# KiCad board smoothiev2-prime.kicad_pcb (continued)
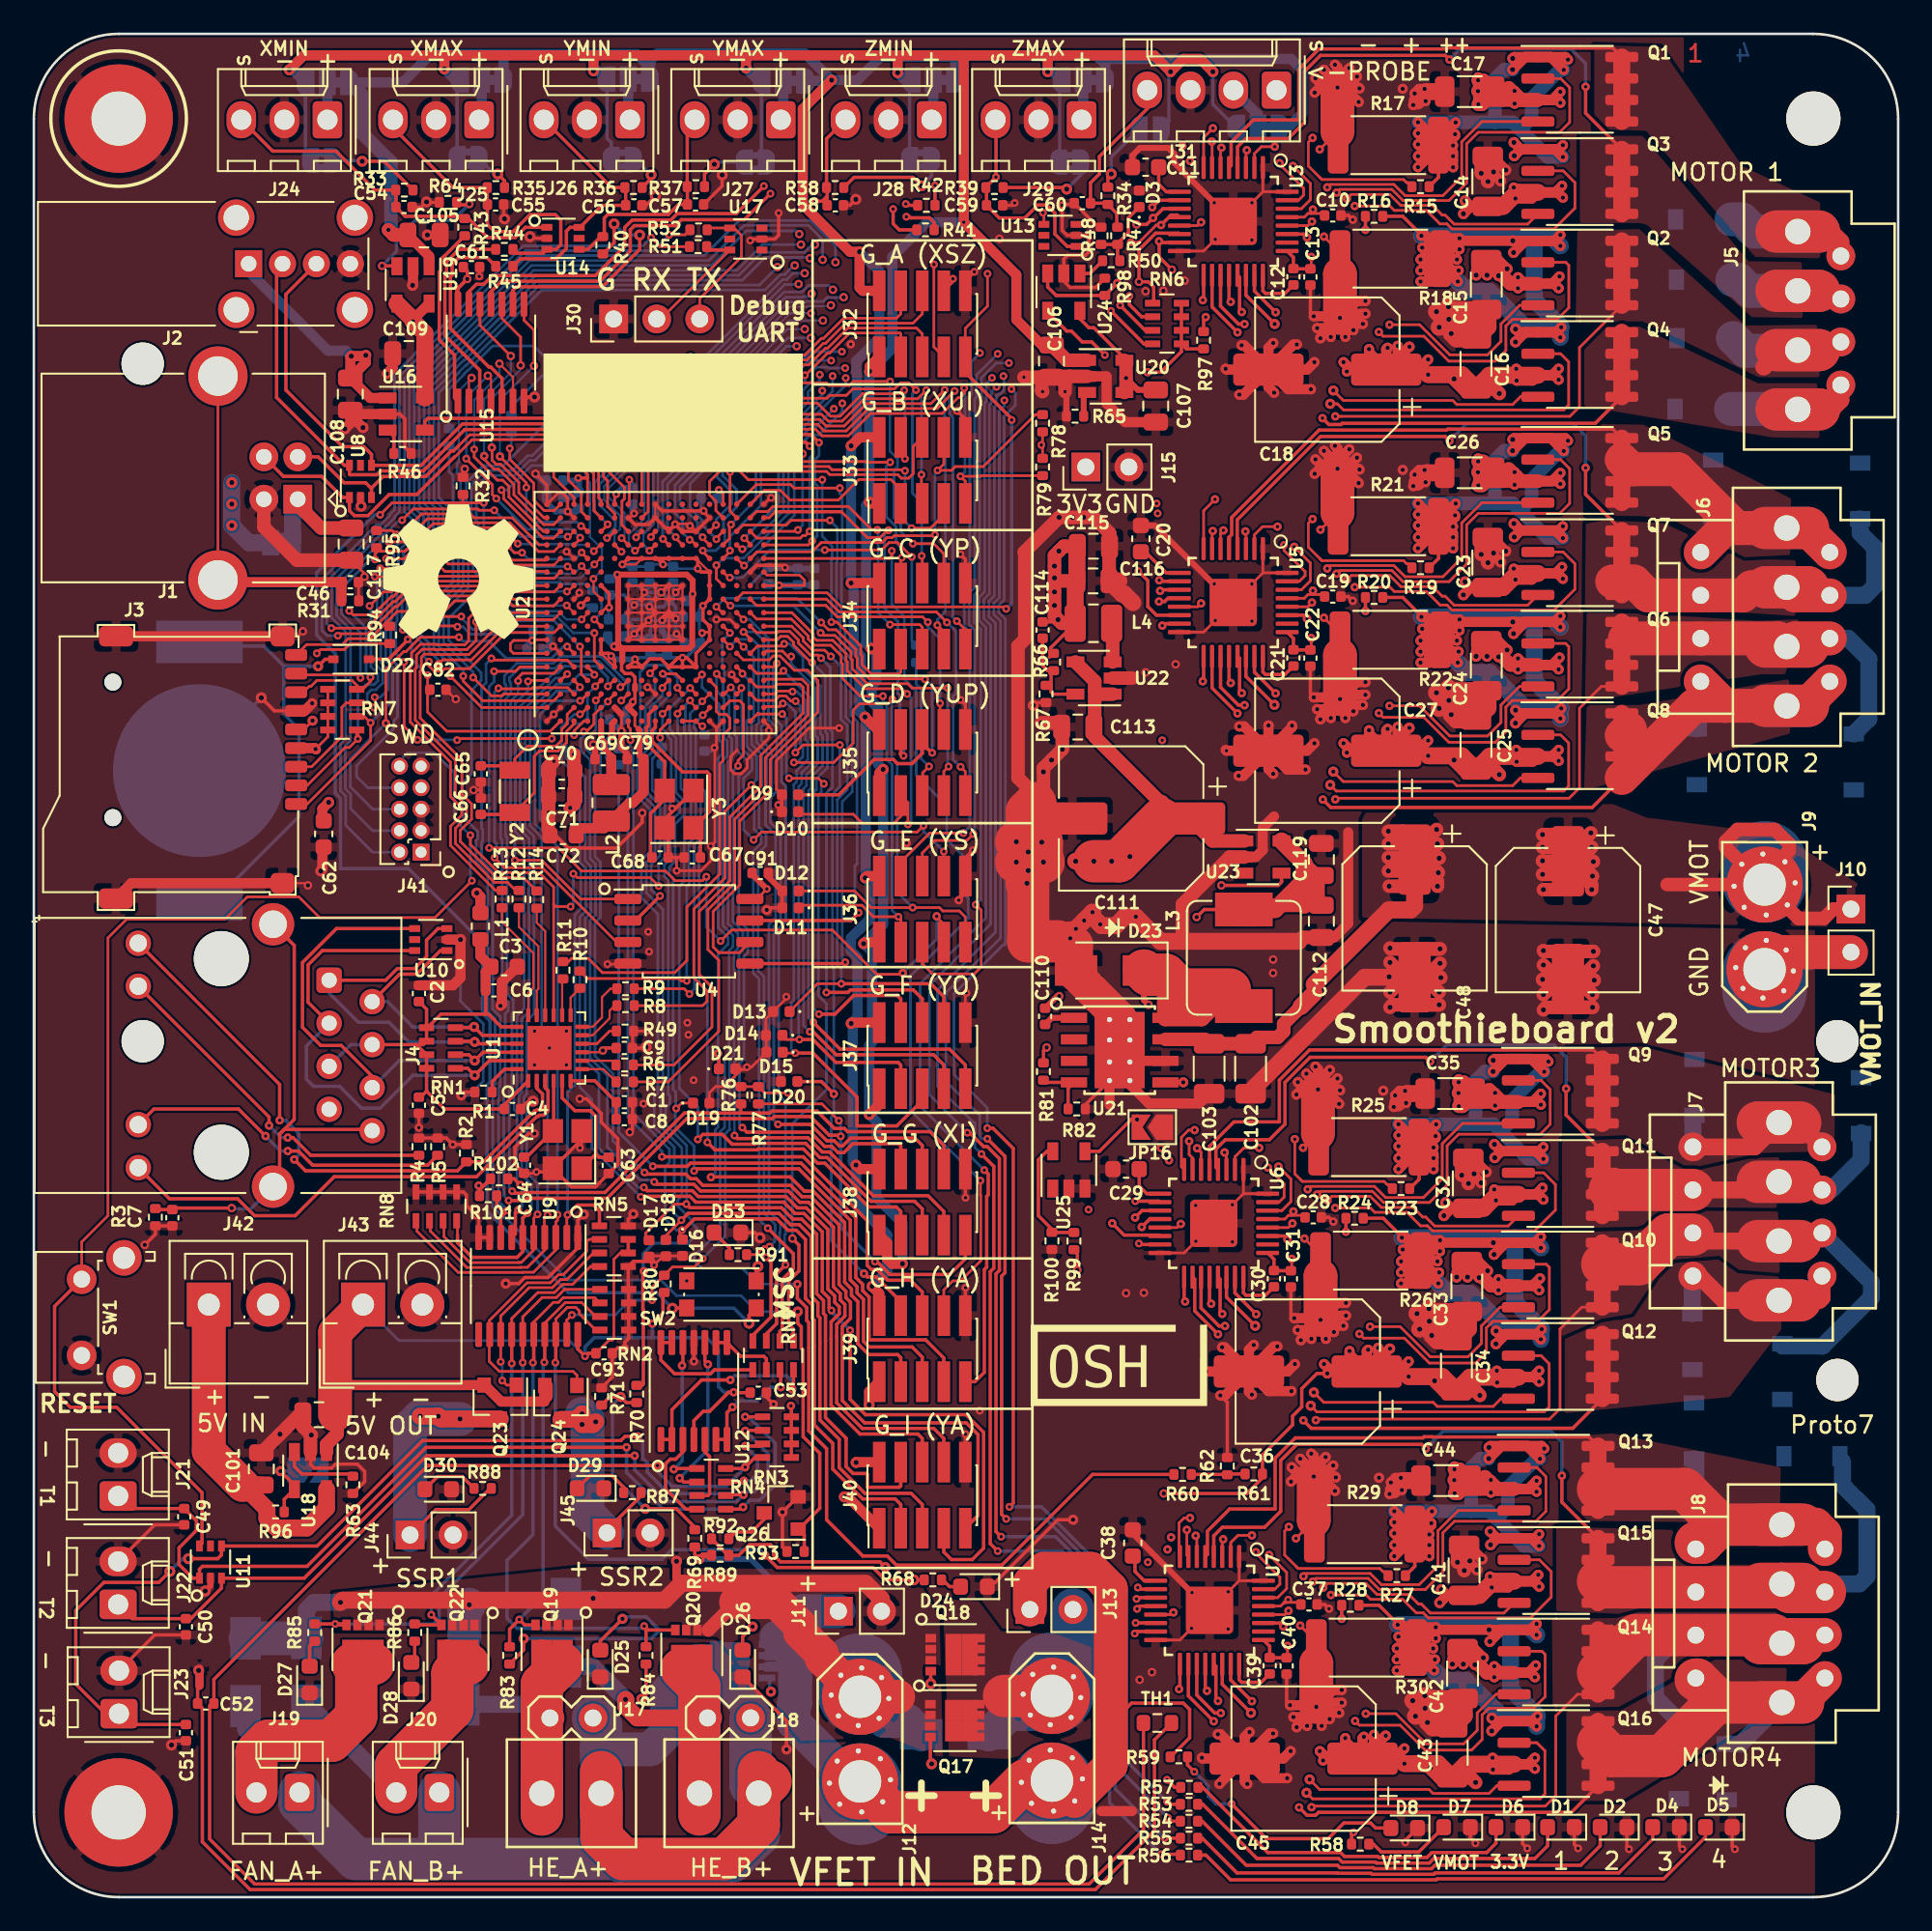
[diagram p0: board, top side]
## Routing (per net, layer and track width the routed paths; a pad name or vN(x,y) marks a point on that pad's centre or on a via; arc(x,y) is an arc through that point) (continued)
  Bottom w0.16: v4(46.54,96.66) 46.54,97.85 45.69,98.7 41.91,98.7 39.83,96.62 29.24,96.62 24.8,92.18 24.76,92.18 23.34,90.75 23.34,90.72 22.15,89.54 22.15,81.91 22.7,81.36 22.7,80.23 21.81,79.34 21.81,77.93 21.71,77.84 21.71,74.88 v5(21.78,74.82) ; v5(33.07,74.63) 31.83,74.63 30.82,75.65 28,75.65 27.2,74.85 25.88,74.85 25.21,75.51 v5(25.21,75.6)
/MOTSPI_SCK: length 164
  Top w0.16: U2.R10 41.84,77 46.8,77 47.64,76.17 57.26,76.17 v5(57.37,76.06) ; J32.9 54.96,92.62 56.27,93.93 v5(56.27,95.84) ; v5(64.72,97.7) 65.22,97.7 66.23,98.72 v3(66.51,98.72)
  Top w0.2: v3(66.39,76.49) 66.72,76.49 66.91,76.68 U5.12 ; v5(65.1,17.02) 65.26,17.18 U7.12 ; v3(65.37,39.56) 65.84,40.03 U6.12 ; U3.12 67.47,99.31 67.1,99.31 v3(66.51,98.72) ; J32.9 54.96,90.02 57.7,87.28 v5(57.7,87.2)
  In2.Cu w0.16: v5(56.27,95.84) 62.38,95.84 64.24,97.7 v5(64.72,97.7)
  In2.Cu w0.2: 72.28,81.67 72.32,81.7 72.32,89.23 72.27,89.28 72.27,93.9 69.95,96.22 69.15,96.22 68.12,97.25 66.19,97.25 65.92,97.52 65.92,97.96 66.51,98.56 v3(66.51,98.72) ; 72.28,81.67 72.27,81.65 ; 72.28,81.67 71.97,81.35 71.97,80.28 71.09,79.4 69.66,79.4 66.74,76.49 v3(66.39,76.49) 65.87,75.97 65.87,75.09 66.63,74.33 69.29,74.33 72.27,71.35 72.27,69.84 71.99,69.56 71.99,68.78 72.71,68.06 72.71,67.56 73.79,66.47 73.79,50.21 72.93,49.34 72.93,46.52 71.49,45.08 71.49,43.37 69.75,41.63 68.59,41.63 66.52,39.56 v3(65.37,39.56) 65.37,39.41 64.66,38.7 64.66,38.37 64.9,38.13 66.3,38.13 66.75,37.68 68.19,37.68 71.12,34.75 71.12,31.4 71.64,30.88 71.64,30.79 72.43,30 72.43,23.52 71.03,22.12 71.03,20.63 70.52,20.12 69.8,20.12 66.7,17.02 v5(65.1,17.02)
  Bottom w0.2: v5(57.7,87.2) 57.7,76.38 v5(57.37,76.06)
/OUTPUTENABLE: length 50
  Top w0.16: v5(31.74,34.37) 31.45,34.07 U9.19 ; v5(36.47,35.24) 36.47,35.99 37.68,37.2 38.97,37.2 v5(39.46,37.7) ; U2.P8 v5(41.07,74.63)
  Bottom w0.16: v5(31.74,34.37) 34.31,34.37 35.18,35.24 v5(36.47,35.24) ; v5(41.07,74.63) 40.62,74.18 40.62,72.55 40.74,72.43 40.74,71.94 40.66,71.86 40.66,71.24 41.01,70.89 41.01,68.55 41.18,68.38 41.18,67.23 40.96,67.01 40.96,57.48 41.54,56.9 41.54,55.99 41.31,55.77 41.31,49.71 41.05,49.44 41.05,45.32 40.79,45.06 40.79,39.02 v5(39.46,37.7)
/PA4: length 36.5
  Top w0.16: v5(44.92,49.83) 44.24,49.83 D15.1 ; v5(44.76,71.17) 44.73,71.2 43.87,71.2 43.69,71.03 U2.U3
  Top w0.2: J37.5 52.42,47.03 50.92,45.53 48.57,45.53 48.57,47.23 45.97,49.83 v5(44.92,49.83)
  Bottom w0.16: v5(44.76,71.17) 45.02,71.17 45.53,70.66 45.53,68.33 45.66,68.2 45.66,67.16 45.01,66.5 45.01,65.86 44.84,65.68 44.84,52.94 44.69,52.8 44.69,50.06 v5(44.92,49.83)
/PB1: length 34.1
  Top w0.16: v5(45.17,50.63) 44.42,50.63 D14.1 ; U2.T5 42.65,72.25 44.08,72.25 v5(44.23,72.4)
  Top w0.2: J37.3 51.15,49.13 51,49.28 47.32,49.28 45.97,50.63 v5(45.17,50.63)
  Bottom w0.16: v5(45.17,50.63) 45.13,50.67 45.13,65.56 45.3,65.74 45.3,66.38 45.95,67.04 45.95,68.32 45.82,68.45 45.82,70.81 v5(44.23,72.4)
/PB12: length 86.4
  Top w0.16: U2.T14 42.27,79.88 v5(41.92,80.23)
  Top w0.2: J39.9 55.53,30.43 56.08,30.98 56.08,37.04 56.22,37.18 56.22,41.37 56.31,41.46 56.31,42.69 v5(56.08,42.92)
  In2.Cu w0.16: v5(56.53,89.69) 56.38,89.85 51.54,89.85 51.18,90.21 50.21,90.21 49.24,89.24 47.69,89.24 v5(47.13,89.8)
  Bottom w0.16: v5(56.53,89.69) 56.2,89.36 56.2,88.32 56.09,88.21 56.09,77.07 55.77,76.75 55.77,75.36 56.16,74.97 56.16,57.8 52.3,53.93 52.3,46.7 v5(56.08,42.92) ; v5(41.92,80.23) 43.94,82.25 43.94,85.71 47.13,88.9 v5(47.13,89.8)
/PC0: length 43.5
  Top w0.16: U2.L2 37.98,69.94 v5(37.98,69.86)
  Top w0.2: v5(39.18,44.74) 39.47,45.03 40.62,45.03 41.2,44.45 42.55,44.45 42.6,44.5 45.54,44.5 46.38,43.66 46.81,43.66 49.39,41.08 51.97,41.08 52.42,40.63 J38.5
  Bottom w0.16: v5(37.98,69.86) 37.98,68.77 38.18,68.57 38.18,65.46 38.76,64.88 38.76,62.76 38.37,62.36 38.37,59.97 38.08,59.68 38.08,47.74 39.18,46.64 v5(39.18,44.74)
/PC13: length 68.6
  Top w0.16: v5(33.16,70.65) 33.47,70.96 U2.E3
  Top w0.2: J40.9 55.71,22.53 55.71,27.31 55.02,28 49.02,28 47.7,29.31 47.7,33.24 47.7,33.24 47.7,33.68 48.18,34.17 48.18,35.12 47.91,35.39 47.91,35.77 47.51,36.17 47.51,39.69 45.85,41.35 45.32,41.35 44.65,42.02 39.47,42.02 39.08,42.41 38.74,42.41 38.47,42.69 36.12,42.69 v5(36.03,42.78)
  Bottom w0.16: v5(33.16,70.65) 33.16,68.87 32.55,68.26 32.55,67.82 33.11,67.26 33.11,61.43 33.43,61.11 33.43,57.86 33.11,57.54 33.11,49.66 34.16,48.61 34.16,44.65 v5(36.03,42.78)
/PD9: length 11
  Top w0.16: U2.T17 43.1,83.06 44.04,83.06 44.62,82.48 47.47,82.48 48.68,83.69 50.57,83.69 51.15,83.11 J33.3
/PD10: length 17.5
  Top w0.16: v5(50.51,75.12) 52.27,75.12 52.42,74.98 J34.5 ; U2.T16 42.64,81.8 43.31,81.8 43.61,82.1 48.06,82.1 49.44,80.72 v5(49.77,80.72)
  Bottom w0.16: v5(49.77,80.72) 49.8,80.72 49.82,80.7 49.82,75.82 v5(50.51,75.12)
/PD12: length 20.5
  Top w0.16: v5(51.21,79.08) 51.15,79.02 J34.4 ; v5(42.17,85.14) 42.55,84.75 49.09,84.75 49.13,84.71 v5(50.52,84.71) ; v5(41.07,84.14) 41.07,81.83 U2.R16
  Bottom w0.16: v5(51.21,79.08) 51.21,79.64 50.87,79.98 50.87,80.91 50.29,81.49 50.29,84.48 v5(50.52,84.71) ; v5(41.07,84.14) 41.17,84.14 v5(42.17,85.14)
/PD14: length 26
  Top w0.16: v5(46.52,83.68) 42.15,83.68 41.22,84.61 40.9,84.61 39.87,83.58 39.87,82.78 40.24,82.41 40.24,81.86 U2.P16 ; v5(47.06,75.28) 47.38,75.28 48.79,73.87 48.79,73.36 48.87,73.28 48.87,72.76 49.42,72.21 51.04,72.21 51.15,72.32 J34.3
  Bottom w0.16: v5(47.06,75.28) 47.06,78.92 47.11,78.97 47.11,79.74 46.52,80.33 v5(46.52,83.68)
/PD15: length 61
  Top w0.16: U2.P15 40.24,80.2 40.24,80.2 v5(40.27,80.17) ; J36.6 52.42,61.64 53.16,62.38 55.05,62.38 v5(55.43,62.77)
  In2.Cu w0.16: v5(47.04,90.71) 48.35,90.71 48.83,91.19 51.43,91.19 51.9,90.72 56.48,90.72 v5(56.87,91.11)
  Bottom w0.16: v5(47.04,90.71) 45.73,90.71 45.05,90.04 45.05,89.63 44.21,88.79 44.21,88.05 43.62,87.46 42.75,87.46 38.72,83.43 38.72,82.01 39.44,81.29 39.44,80.99 v5(40.27,80.17) ; v5(56.87,91.11) 55.62,89.86 55.62,88.56 55.51,88.45 55.51,77.31 55.19,76.99 55.19,75.12 55.51,74.8 55.51,62.85 v5(55.43,62.77)
/PE4: length 73.9
  Top w0.16: v5(32.22,69.84) 32.28,69.84 U2.D2
  Top w0.2: v5(47.06,34.63) 46.92,34.77 46.92,35.36 46.52,35.76 46.52,39.28 45.44,40.36 44.91,40.36 44.24,41.03 39.05,41.03 38.71,41.37 35.84,41.37 v5(35.81,41.34) ; v5(48.16,33.46) 48.16,29.39 49.07,28.48 55,28.48 56.04,27.44 56.04,20.6 55.37,19.93 54.14,19.93 53.69,20.38 J40.7
  Bottom w0.16: v5(32.22,69.84) 31.89,69.84 31.12,69.06 31.12,67.11 32.21,66.02 32.21,61.72 32.22,61.71 32.22,61.09 32.56,60.75 32.56,58.22 32.21,57.87 32.21,47.81 32.92,47.1 32.92,44.23 v5(35.81,41.34)
  Bottom w0.2: v5(47.06,34.63) 47.06,34.56 v5(48.16,33.46)
/PE7: length 28.6
  Top w0.16: D10.2 45.26,63.93 48.35,63.93 48.89,63.38 50.72,63.38 51.15,63.81 J35.3 51.57,64.61 v5(51.57,63.33) ; U2.U9 44.73,75.83 45.98,74.57 45.98,74.4 46.18,74.2 47.14,74.2 47.92,73.42 47.92,73 48,72.92 48,72.4 49.06,71.34 51.22,71.34 v5(51.53,71.03)
  Bottom w0.16: v5(51.53,71.03) 51.76,70.8 51.76,63.52 v5(51.57,63.33)
/PE8: length 33.5
  Top w0.16: 51.15,57.74 v5(51.01,57.88) ; 51.15,57.74 v5(51.01,57.88) ; 51.15,57.74 J36.3 51.15,57.74 ; v5(51.01,57.88) 49.53,57.88 48.86,58.55 45.28,58.55 D11.1 ; v5(50.1,70.9) 48.76,70.9 47.71,71.95 47.71,72.8 47.63,72.88 47.63,73.3 47.02,73.91 46.06,73.91 45.69,74.28 45.69,74.45 44.69,75.46 42.64,75.46 U2.T9
  Bottom w0.16: v5(50.1,70.9) 50.1,70.64 50.32,70.41 50.32,67.16 50.65,66.84 50.65,58.24 v5(51.01,57.88)
/PF2: length 48.3
  Top w0.16: v5(35.2,68.3) 35.2,68.96 35.07,69.1 U2.G1
  Top w0.2: v5(37.06,43.71) 45.4,43.71 49.17,39.94 49.17,37.3 49.41,37.06 49.75,37.06 50.38,36.42 51.73,36.42 52.42,35.73 J39.6
  Bottom w0.16: v5(37.06,43.71) 37.06,44.03 35.05,46.04 35.05,67.82 35.2,67.98 v5(35.2,68.3)
/PF13: length 41
  Top w0.16: v5(43.41,38.4) 43.06,38.4 42.59,37.93 R91.1 ; U2.P7 v5(41.07,73.83)
  Bottom w0.16: v5(43.41,38.4) 43.72,38.71 43.72,39.34 43.75,39.37 43.75,39.7 43.08,40.37 43.08,54.34 42.73,54.69 42.73,61.62 43.2,62.09 43.2,62.75 42.79,63.16 42.79,65.06 43.25,65.51 43.25,67.57 42.64,68.18 42.64,69.21 42.76,69.34 42.76,73.89 42.4,74.25 41.49,74.25 v5(41.07,73.83)
/PF15: length 42.9
  Top w0.16: U2.R9 v5(41.87,75.43)
  Top w0.2: J38.6 52.42,44.38 51.99,44.81 48.18,44.81 47.72,44.35 47.53,44.35 47.22,44.65 46.79,44.65 45.82,45.62 v5(43.91,45.62)
  Bottom w0.16: v5(43.91,45.62) 43.66,45.87 43.66,57.3 44.05,57.7 44.05,62.84 43.46,63.43 43.46,64.9 43.83,65.27 43.83,69.04 43.34,69.52 43.34,74.32 42.23,75.43 v5(41.87,75.43)
/PG0: length 32.6
  Top w0.16: v5(46.45,73.14) 46.27,73.33 45.82,73.33 45.11,74.04 45.11,74.21 44.6,74.72 43.94,74.72 43.88,74.66 42.64,74.66 U2.T8
  Top w0.2: v5(46.76,53.41) 48.03,53.41 48.18,53.56 51.89,53.56 52.42,53.03 J37.6
  Bottom w0.16: v5(46.45,73.14) 47,72.6 47,68.92 47.11,68.8 47.11,65.52 46.76,65.17 v5(46.76,53.41)
/PG1: length 36.5
  Top w0.16: D13.1 46.23,53.92 v5(47.64,53.92) ; U2.U8 44.71,75.03 45.4,74.33 45.4,74.16 45.94,73.62 46.66,73.62 v5(47.03,73.24)
  Top w0.2: v5(47.64,53.92) 52.93,53.92 53.69,53.16 J37.8
  Bottom w0.16: v5(47.03,73.24) 47.62,72.66 47.62,69.54 47.99,69.17 47.99,68.34 47.99,68.33 47.99,65.38 47.4,64.79 47.4,55.03 47.64,54.8 v5(47.64,53.92)
/PH2: length 41.3
  Top w0.16: v5(39.47,69.78) 39.87,70.18 U2.N2
  Top w0.2: v5(39.74,44.56) 40.18,44.12 42.68,44.12 42.73,44.17 45.4,44.17 46.24,43.33 46.67,43.33 49.26,40.75 50.88,40.75 51.15,40.48 J38.3
  Bottom w0.16: v5(39.74,44.56) 39.74,53.49 39.25,53.98 39.25,60.03 39.24,60.04 39.24,62 39.63,62.4 39.63,65.24 39.05,65.82 39.05,68.93 38.97,69.01 38.97,69.28 v5(39.47,69.78) 39.52,69.73
/PH3: length 43.3
  Top w0.16: v5(41.55,66.79) 41.55,67.11 41.87,67.43 41.87,70.41 41.65,70.63 41.07,70.63 U2.P2
  Top w0.2: v5(41.34,44.96) 41.52,44.78 42.41,44.78 42.46,44.83 45.68,44.83 46.52,43.99 46.95,43.99 49.53,41.41 52.76,41.41 53.69,40.48 J38.7
  Bottom w0.16: v5(41.34,44.96) 41.34,49.32 41.6,49.59 41.6,55.65 41.83,55.87 41.83,57.02 41.25,57.6 41.25,66.49 v5(41.55,66.79)
/PH4: length 39.3
  Top w0.16: U2.P3 40.73,71.03 v5(41.12,71.42)
  Top w0.2: J38.4 51.15,44.38 51.05,44.48 48.32,44.48 47.79,43.95 47.45,43.95 47.08,44.32 46.65,44.32 45.81,45.16 42.07,45.16 v5(41.8,45.43)
  Bottom w0.16: v5(41.12,71.42) 41.35,71.19 41.35,68.62 41.47,68.5 41.47,67.71 42.08,67.09 42.08,66.67 41.59,66.17 41.59,57.67 42.12,57.14 42.12,55.75 41.89,55.53 41.89,49.47 41.63,49.2 41.63,45.6 v5(41.8,45.43)
/PH7: length 59.3
  Top w0.16: v5(55.85,42.3) 55.85,41.44 55.87,41.42 55.87,37.57 54.68,36.38 54.22,36.38 53.69,35.85 J39.8 ; 50.63,79.19 50.63,79.47 v5(50.62,79.48) ; 50.63,79.19 50.47,79.03 U2.U13 ; 50.63,79.19 50.63,79.23
  Bottom w0.16: v5(50.62,79.48) 50.62,76.33 51.37,75.58 51.37,71.89 52.06,71.2 52.06,66.24 53.87,64.43 53.87,62.43 54.97,61.33 54.97,59.14 55.13,58.98 55.13,57.79 51.72,54.38 51.72,46.43 v5(55.85,42.3)
/PI8: length 63.7
  Top w0.16: U2.E4 v5(33.12,71.48)
  Top w0.2: v5(35.99,41.9) 36.19,41.7 38.86,41.7 39.2,41.36 44.38,41.36 45.05,40.69 45.57,40.69 46.85,39.42 46.85,35.9 47.25,35.49 47.25,35.12 47.52,34.85 47.52,34.44 47.04,33.96 47.04,32.97 47.04,29.04 48.74,27.34 52.16,27.34 52.42,27.08 J40.6
  Bottom w0.16: v5(35.99,41.9) 35.67,41.9 33.34,44.23 33.34,48.61 32.53,49.42 32.53,57.78 32.85,58.1 32.85,60.87 32.53,61.19 32.53,66.11 31.41,67.23 31.41,68.8 31.88,69.27 32.3,69.27 32.67,69.64 32.67,71.03 v5(33.12,71.48)
/PI9: length 62.2
  Top w0.16: v5(32.45,68.81) 32.6,68.81 33.04,69.25 33.04,69.8 U2.E2
  Top w0.2: v5(36.6,42.23) 36.75,42.08 38.94,42.08 39.34,41.69 44.52,41.69 45.19,41.02 45.71,41.02 47.18,39.55 47.18,36.03 47.58,35.63 47.58,35.26 47.85,34.99 47.85,34.3 47.37,33.82 47.37,33.11 47.37,29.18 48.88,27.67 53.1,27.67 53.69,27.08 J40.8
  Bottom w0.16: v5(32.45,68.81) 32.45,68.58 32.26,68.38 32.26,67.7 32.82,67.14 32.82,61.31 33.14,60.99 33.14,57.98 32.82,57.66 32.82,49.54 33.83,48.52 33.83,44.29 35.78,42.34 36.49,42.34 v5(36.6,42.23)
/PI10: length 56.7
  Top w0.16: U2.F3 33.87,70.63 v5(33.87,70.58)
  Top w0.2: v5(36.52,43.15) 38.55,43.15 38.74,43.33 45.27,43.33 48.5,40.1 48.5,36.58 48.9,36.18 48.9,35.8 49.28,35.43 49.28,32.95 49.33,32.9 52.62,32.9 53.69,31.83 J39.7
  Bottom w0.16: v5(33.87,70.58) 33.47,70.18 33.47,67.52 33.43,67.49 33.43,66.29 34.51,65.21 34.51,45.15 v5(36.52,43.15)
/PJ2: length 37.6
  Top w0.16: v5(44.27,73.99) 44.14,73.85 42.69,73.85 U2.T6
  Top w0.2: J37.9 54.96,49.13 54.03,50.06 47.57,50.06 v5(45.99,51.64)
  Bottom w0.16: v5(45.99,51.64) 45.71,51.93 45.71,65.32 45.88,65.5 45.88,66.14 46.53,66.8 46.53,68.56 46.4,68.69 46.4,71.5 45.38,72.52 45.38,73.21 44.6,73.99 v5(44.27,73.99)
/PJ3: length 35.2
  Top w0.16: U2.U6 43.2,73.56 44.16,73.56 44.49,73.24 v5(44.68,73.24)
  Top w0.2: v5(45.78,51.09) 45.98,51.09 47.34,49.73 53.09,49.73 53.69,49.13 J37.7
  Bottom w0.16: v5(44.68,73.24) 44.68,72.81 46.11,71.38 46.11,68.57 46.24,68.44 46.24,66.92 45.59,66.26 45.59,65.62 45.42,65.44 45.42,51.46 v5(45.78,51.09)
/PJ4: length 32
  Top w0.16: U2.U7 43.86,74.23 44.06,74.43 44.47,74.43 44.82,74.08 44.82,73.92 45.85,72.89 v5(45.92,72.89)
  Top w0.2: J37.4 51.15,53.03 50.95,53.23 48.37,53.23 47.27,52.13 v5(46.32,52.13)
  Bottom w0.16: v5(46.32,52.13) 46,52.46 46,65.2 46.17,65.37 46.17,66.02 46.82,66.68 46.82,68.68 46.7,68.8 46.7,72.11 v5(45.92,72.89)
/PJ6: length 20.8
  Top w0.16: v5(40.25,81) 40.24,81 U2.N15 ; v5(45.49,89.85) 45.52,89.85 46.83,91.15 46.95,91.15 48.14,92.34 51.1,92.34 51.15,92.29 J32.3
  Bottom w0.16: v5(40.25,81) 40.25,81.33 41.17,82.25 41.17,82.98 40.33,83.82 40.33,84.63 42.87,87.17 43.76,87.17 44.94,88.35 44.94,88.96 45.49,89.52 v5(45.49,89.85)
/PJ7: length 60.5
  Top w0.16: v5(54.85,62.82) 52.86,62.82 51.15,61.11 J36.4 ; v5(39.46,80.28) 39.46,80.24 U2.N14
  In2.Cu w0.16: v5(55.82,91.16) 51.87,91.16 51.55,91.48 48.68,91.48 48.21,91.01 47.91,91.01 v5(47.68,91.24)
  Bottom w0.16: v5(39.46,80.28) 39.15,80.59 39.15,81.17 38.12,82.2 38.12,83.24 42.63,87.75 43.5,87.75 43.92,88.17 43.92,88.95 44.76,89.79 44.76,90.18 45.83,91.24 v5(47.68,91.24) ; v5(54.85,62.82) 55.22,63.2 55.22,74.68 54.9,75 54.9,77.11 55.22,77.43 55.22,88.57 55.33,88.68 55.33,90.67 v5(55.82,91.16)
/PJ8: length 70.4
  Top w0.16: v5(55.58,58.59) 55.89,58.28 55.89,54.91 55.49,54.5 53.02,54.5 52.42,55.11 J36.5 ; v5(39.47,79.49) 39.47,79.43 U2.N13
  In2.Cu w0.16: v5(57.53,90.57) 57.2,90.57 57.06,90.43 51.78,90.43 51.31,90.9 48.95,90.9 48.32,90.27 v5(47.87,90.27)
  Bottom w0.16: v5(57.53,90.57) 56.79,90.57 55.91,89.69 55.91,88.44 55.8,88.33 55.8,77.19 55.48,76.87 55.48,75.24 55.87,74.85 55.87,58.88 v5(55.58,58.59) ; v5(47.87,90.27) 46.86,90.27 46.81,90.32 46.16,90.32 45.93,90.09 45.93,89.53 45.38,88.98 45.38,88.39 43.59,86.6 42.7,86.6 40.63,84.53 40.63,83.92 41.46,83.1 41.46,82.06 40.69,81.29 40.69,80.82 40.77,80.74 40.77,80.03 40.24,79.49 v5(39.47,79.49)
/PJ9: length 24
  Top w0.16: J32.4 51.15,93.47 50.89,93.21 47.78,93.21 46.59,92.02 46.47,92.02 45.48,91.04 44.67,91.04 43.87,90.24 v5(43.87,89.67) ; v5(38.7,80.13) 38.77,80.13 U2.M14
  Bottom w0.16: v5(38.7,80.13) 38.27,80.56 38.27,81.26 37.83,81.7 37.83,83.36 42.51,88.04 43.38,88.04 43.63,88.29 43.63,89.43 v5(43.87,89.67)
/PJ10: length 24.3
  Top w0.16: v5(37.87,80.29) 37.87,80.23 U2.L14 ; J32.5 52.42,92.29 52.08,92.63 48.02,92.63 46.83,91.44 46.71,91.44 45.72,90.46 45.41,90.46 44.18,89.23 v5(43.14,89.23)
  Bottom w0.16: v5(43.14,89.23) 43.14,89.18 37.39,83.43 37.39,80.77 v5(37.87,80.29)
/PJ11: length 25
  Top w0.16: U2.K14 v5(37.12,80.18) ; J32.6 52.42,93.47 51.87,92.92 47.9,92.92 46.71,91.73 46.59,91.73 45.6,90.75 45.01,90.75 v5(44.32,90.06)
  Bottom w0.16: v5(37.12,80.18) 37.1,80.2 37.1,83.55 42.69,89.15 42.69,89.42 43.56,90.29 44.09,90.29 v5(44.32,90.06)
/PK0: length 24.5
  Top w0.16: J33.6 51.89,85.65 51.89,84.04 51.61,83.77 51.19,83.77 50.97,83.98 46.96,83.98 46.77,84.17 42.07,84.17 41.19,85.05 v5(37.09,85.05) ; v5(36.32,79.49) 36.33,79.49 U2.J14
  Bottom w0.128: 35.97,79.83 35.97,80.48
  Bottom w0.16: 35.97,79.83 36.31,79.49 v5(36.32,79.49) ; 35.97,80.48 35.97,80.48 36.55,81.06 36.55,84.51 v5(37.09,85.05)
/PK1: length 27.1
  Top w0.16: v5(51.4,84.21) 51.34,84.27 47.09,84.27 46.9,84.46 42.19,84.46 40.99,85.66 38.79,85.66 v5(38.56,85.89) 38.47,85.8 38.47,85.73 ; J33.7 53.69,81.6 52.91,80.82 v5(51.79,80.82) ; U2.J15 36.41,80.37 v5(36.41,80.3)
  Bottom w0.128: v5(36.41,80.3) 36.83,80.71 36.83,84.15 v5(38.56,85.89)
  Bottom w0.16: v5(51.4,84.21) 51.4,81.21 v5(51.79,80.82)
/power/UVLO: length 27.2
  Top w0.2: v4(70.07,59.73) 73.42,59.73 73.62,59.93 U23.4 ; JP16.2 65.27,45.73 v1(65.1,45.9) 64.74,45.9 62.87,44.03 U25.4 ; v1(67.82,48.11) 67.82,48.1 U21.5
  In2.Cu w0.2: v1(65.1,45.9) 66.37,45.9 67.82,47.36 v1(67.82,48.11) 67.85,48.13 69.47,48.13 69.87,48.53 69.87,56.55 70.07,56.75 v4(70.07,59.73)
/PROBE: length 36.7
  Top w0.16: U2.P11 40.27,77.83 v5(40.27,78.63)
  Top w0.2: v5(63.2,91.04) 62.42,91.81 61.86,91.81 61.22,92.45 60.95,92.45 59.82,93.58 U24.4
  In2.Cu w0.16: 57.64,87.65 57.66,87.65 61.13,91.11 61.13,91.13 ; v5(47.2,87.87) 47.79,87.28 57.12,87.28 57.47,87.63 57.6,87.63 57.61,87.65 57.63,87.65 ; 61.12,91.13 63.1,91.13 v5(63.2,91.04)
  Bottom w0.16: v5(40.27,78.63) 40.69,79.05 41.89,79.05 44.52,81.68 44.52,85.46 45.04,85.99 45.04,86 45.44,86.39 45.45,86.39 45.72,86.67 45.76,86.67 45.82,86.73 46.06,86.73 v5(47.2,87.87)
/QSPI_CS: length 21.5
  Top w0.16: U2.B5 30.69,72.25 28.83,72.25 28.57,71.99 v5(28.57,71.8) ; v5(28.38,61.21) 29.96,61.21 32.25,58.92 U4.1
  Bottom w0.16: v5(28.57,71.8) 28.57,71.05 28.12,70.6 28.12,62.77 28.38,62.51 v5(28.38,61.21)
/QSPI_IO0: length 38.4
  Top w0.16: U2.R15 41.84,81 44.39,81 44.67,81.28 v5(46.97,81.28)
  Top w0.2: U4.5 47.8,55.11 v5(47.88,55.19)
  Bottom w0.16: v5(47.88,55.19) 47.69,55.37 47.69,64.67 48.28,65.26 48.28,68.45 48.28,68.46 48.28,69.29 47.91,69.66 47.91,73.01 47.58,73.35 47.58,75.41 47.36,75.63 47.36,78.81 47.4,78.85 47.4,80.85 v5(46.97,81.28)
/QSPI_IO1: length 18.5
  Top w0.16: v5(37.11,72.22) 37.88,72.22 U2.L4
  Top w0.2: v5(36.95,59.11) 35.49,57.66 U4.2
  Bottom w0.16: v5(36.95,59.11) 36.8,59.11 36.43,59.48 36.43,60.97 36.94,61.48 36.94,64.47 36.21,65.2 36.21,67.34 36.51,67.64 36.51,68.67 36.65,68.81 36.65,70.1 37.53,70.97 37.53,71.8 v5(37.11,72.22)
/QSPI_IO2: length 24.8
  Top w0.16: 35.05,56.39 34.38,56.39 30,60.77 28.32,60.77 28.31,60.78 27.77,60.78 v5(27.19,61.36) ; v5(27.41,71.36) 27.44,71.33 29.37,71.33 29.44,71.4 31.5,71.4 U2.C3
  Bottom w0.16: v5(27.19,61.36) 27.3,61.47 27.3,62.19 27.18,62.31 27.18,71.13 v5(27.41,71.36)
/QSPI_IO3: length 38.9
  Top w0.16: v5(47.55,83.19) 44.85,83.19 44.65,83.39 42.63,83.39 U2.R17
  Top w0.2: U4.7 48.21,57.66 v5(48.67,58.11)
  Bottom w0.16: v5(48.67,58.11) 48.44,58.34 48.44,60.87 48.57,61 48.57,68.57 48.57,68.58 48.57,69.41 48.2,69.78 48.2,73.13 47.87,73.47 47.87,75.53 47.65,75.75 47.65,78.69 47.69,78.73 47.69,82.73 47.55,82.86 v5(47.55,83.19)
/QSPI_SCK: length 26.5
  Top w0.16: U2.R6 41.85,73.05 43.39,73.05 43.62,73.27 44.03,73.27 44.87,72.43 45.65,72.43 46.26,71.82 46.26,69.95 43.45,67.14 43.45,65.33 41.65,63.53 41.65,59.76 40.08,58.19 40.08,56.1 40.42,55.76 41.63,55.76 42.25,56.39
/SD_CK: length 27.4
  Top w0.128: J3.5 16.08,68.93 ; v5(31.49,78.55) 31.55,78.55 U2.C12
  Top w0.16: v5(20.44,78.45) 21.69,78.45 22.21,78.97 22.26,78.97 23.3,80.01 24.33,80.01 24.49,79.85 26.46,79.85 26.59,79.98 27.01,79.98 27.39,79.6 v5(27.39,79.51) ; v1(16.45,69.45) 15.92,68.93 J3.5
  In2.Cu w0.16: v5(20.12,70.84) 17.83,70.84 v1(16.45,69.45)
  Bottom w0.16: v5(20.44,78.45) 20.55,78.33 20.55,75.73 20.47,75.65 20.47,72.88 20.88,72.47 20.88,71.27 20.44,70.84 v5(20.12,70.84) ; v5(31.49,78.55) 28.34,78.55 v5(27.39,79.51)
/SD_CMD: length 30.4
  Top w0.128: v5(20.11,77.95) 21.58,77.95 22.33,78.7 22.38,78.7 23.41,79.74 24.21,79.74 24.41,79.54 v5(26.8,79.54) ; U2.D12 v5(32.32,78.58)
  Top w0.16: J3.3 16.39,66.73 18.17,68.52 18.17,70.24 18.44,70.5 RN7.7
  Top w0.2: v5(20.07,70.23) 19.8,70.5 RN7.7
  Bottom w0.128: v5(32.32,78.58) 31.87,78.13 31.29,78.13 31.27,78.15 27.86,78.15 26.8,79.21 v5(26.8,79.54)
  Bottom w0.16: v5(20.07,70.23) 19.68,70.62 19.68,71.05 19.9,71.28 20.18,71.28 20.59,71.68 20.59,72.35 20.18,72.75 20.18,75.9 20.25,75.97 20.25,77.82 v5(20.11,77.95)
/SD_D0: length 27.4
  Top w0.128: v5(33.07,78.68) 33.42,79.03 U2.E13
  Top w0.16: v5(19.86,72.01) 19.86,71.77 19.39,71.31 RN7.8 ; J3.7 15.9,71.13 16.25,71.48 16.34,71.48 16.7,71.83 18.77,71.83 19.27,71.33 ; v5(26.36,78.71) 24.45,78.71 23.98,79.17 23.65,79.17 22.61,78.14 22.56,78.14 21.2,76.77 21.08,76.77 20.01,75.7 18.83,75.7 v5(18.6,75.93)
  Bottom w0.128: v5(33.07,78.68) 32.26,77.87 31.18,77.87 31.17,77.89 27.17,77.89 v5(26.36,78.71)
  Bottom w0.16: v5(19.86,72.01) 19.6,72.27 19.6,74.94 v5(18.6,75.93)
/SD_D1: length 27.6
  Top w0.128: v5(33.04,79.46) 33.41,79.83 U2.E14
  Top w0.16: v5(20.13,78.97) 20.13,79.3 20.29,79.45 21.88,79.45 21.97,79.55 22.02,79.55 23.55,81.08 25.42,81.08 25.65,80.85 27.61,80.85 v5(28.55,79.9) ; v5(19.27,71.98) 19.09,72.16 15.56,72.16 J3.8
  Bottom w0.128: v5(33.04,79.46) 32.67,79.83 31.92,79.83 31.87,79.88
  Bottom w0.16: v5(19.27,71.98) 19.27,74.65 18.15,75.76 18.15,77.27 19.85,78.97 v5(20.13,78.97) ; 31.87,79.83 31.83,79.87 28.58,79.87 v5(28.55,79.9)
/SD_D2: length 29.7
  Top w0.16: J3.1 16.13,64.53 19.87,68.28 v5(19.87,69.33) 19.47,69.73 19.07,69.73 RN7.6 19.17,69.58 ; U2.A13 30.17,78.93 28.21,78.93 27.83,79.32 27.83,79.71 27.28,80.26 27.14,80.26 27.13,80.27 26.47,80.27 26.34,80.14 24.61,80.14 24.45,80.3 23.18,80.3 22.14,79.26 22.09,79.26 21.85,79.01 v5(20.79,79.01) ; 19.3,69.64 19.3,69.71
  Bottom w0.16: v5(20.79,79.01) 20.88,78.92 20.88,78.24 20.84,78.2 20.84,75.6 20.76,75.51 20.76,73 21.17,72.59 21.17,70.63 v5(19.87,69.33)
/SD_D3: length 27.8
  Top w0.128: U2.B13 30.71,78.67
  Top w0.16: 30.71,78.67 30.68,78.64 27.07,78.64 26.5,79.22 24.35,79.22 24.1,79.46 23.53,79.46 22.49,78.43 22.44,78.43 21.08,77.06 20.64,77.06 v5(19.81,76.23) ; J3.2 16.13,65.63 18.36,67.87 18.61,67.87 19.05,68.31 RN7.5 19.12,68.83 v5(19.12,68.38)
  Bottom w0.16: v5(19.81,76.23) 19.89,76.15 19.89,72.63 20.3,72.23 20.3,71.81 20.06,71.57 19.56,71.57 19.12,71.13 v5(19.12,68.38)
/SG_A: length 88.7
  Top w0.16: v5(23.3,72.94) 23.3,72.69 23.62,72.37 24.08,72.37 24.23,72.53 25.71,72.53 27.84,74.66 30.7,74.66 U2.B8
  Top w0.2: v3(75.12,97.98) 74.92,98.18 U3.27
  In2.Cu w0.2: v4(45.16,98.18) 45.66,98.68 49.39,98.68 49.99,98.09 52.59,98.09 53.87,99.36 56.31,99.36 57.4,98.27 62.25,98.27 65.23,101.25 71.85,101.25 v3(75.12,97.98)
  Bottom w0.16: v4(45.16,98.18) 44.97,98.37 42.04,98.37 40,96.33 29.36,96.33 24.92,91.89 24.88,91.89 23.63,90.63 23.63,90.6 22.44,89.42 22.44,82.03 22.99,81.48 22.99,80.11 22.1,79.22 22.1,77.68 22,77.58 22,75.55 22.22,75.33 22.22,74.72 23.02,73.92 23.02,73.23 v5(23.3,72.94)
/SG_B: length 106.1
  Top w0.16: v5(23.88,72.81) 24.11,73.04 25.81,73.04 27.8,75.03 U2.A8
  Top w0.2: v3(75.12,75.48) 74.92,75.68 U5.27
  In2.Cu w0.2: v3(75.12,75.48) 74.85,75.75 74.85,79.95 74.82,79.98 74.82,90.71 75.38,91.27 75.38,92.05 74.67,92.76 74.67,94.23 68,100.9 65.35,100.9 61.84,97.4 56.13,97.4 55.78,97.75 49.87,97.75 49.26,98.35 46.06,98.35 v4(45.26,97.56)
  Bottom w0.16: v5(23.88,72.81) 23.88,73.01 23.31,73.58 23.31,74.04 22.51,74.84 22.51,76.19 22.29,76.4 22.29,77.46 22.39,77.56 22.39,79.1 23.28,79.99 23.28,81.6 22.73,82.15 22.73,89.3 23.92,90.48 23.92,90.51 25,91.6 25.04,91.6 29.48,96.04 41.48,96.04 43,97.56 v4(45.26,97.56)
/SG_C: length 141.5
  Top w0.16: U2.B10 30.67,76.23 28.27,76.23 27.68,76.82 23.62,76.82 23.24,76.43 v5(22.92,76.43)
  Top w0.2: v3(73.97,38.83) 73.77,39.03 U6.27
  In2.Cu w0.2: v3(73.97,38.83) 73.28,39.52 73.28,42.06 73.92,42.7 73.92,44.98 73.97,45.03 73.97,48.98 75.56,50.57 75.56,66.82 74.77,67.61 74.77,70.78 73.27,72.28 73.27,79.98 74.29,81 74.29,90.65 75.05,91.41 75.05,91.92 74.34,92.63 74.34,94.09 67.86,100.57 65.48,100.57 61.98,97.07 55.99,97.07 55.66,97.4 49.75,97.4 49.12,98.02 46.54,98.02 v4(46.08,97.56)
  Bottom w0.16: v4(46.08,97.56) 45.94,97.56 45.48,97.1 42.95,97.1 41.6,95.75 29.6,95.75 25.16,91.31 25.12,91.31 24.21,90.39 24.21,90.36 23.02,89.18 23.02,82.27 23.57,81.72 23.57,79.87 22.68,78.98 22.68,77.41 22.58,77.32 22.58,76.76 v5(22.92,76.43)
/SG_D: length 161.3
  Top w0.16: v5(23.02,77.11) 23.03,77.11 27.8,77.11 28.28,76.63 U2.A10
  Top w0.2: v3(73.72,15.98) 73.52,16.18 U7.27
  In2.Cu w0.2: v3(73.72,15.98) 73.45,16.25 73.45,31.81 73.91,32.27 73.91,33.37 73.67,33.61 73.67,36.86 71.64,38.89 71.64,42.59 73.52,44.47 73.52,45.74 73.64,45.86 73.64,49.12 74.46,49.93 74.46,66.75 73.62,67.58 73.62,70.07 73.92,70.37 73.92,71.16 72.86,72.22 72.86,81.31 73.77,82.22 73.77,93.75 70.59,96.93 69.53,96.93 66.22,100.24 65.64,100.24 62.14,96.74 55.85,96.74 55.53,97.07 49.61,97.07 48.98,97.69 46.95,97.69 46.4,97.14 46.33,97.14 45.94,96.76 v4(45.79,96.76)
  Bottom w0.16: v5(23.02,77.11) 22.97,77.17 22.97,78.86 23.86,79.75 23.86,81.85 23.31,82.39 23.31,89.06 24.5,90.24 24.5,90.27 25.24,91.02 25.28,91.02 29.72,95.46 41.8,95.46 43.13,96.8 45.75,96.8 v4(45.79,96.76)
/SPI1_CIPO: length 24
  Top w0.16: v5(52.49,63.25) 52.12,62.88 42.93,62.88 v5(42.47,62.42) ; v5(41.74,71.39) 41.74,71.3 U2.R3 ; J36.8 v5(53.69,61.73)
  Bottom w0.16: v5(41.74,71.39) 41.77,71.36 41.77,67.82 42.37,67.21 42.37,66.55 41.88,66.05 41.88,63.01 v5(42.47,62.42) ; v5(53.69,61.73) 52.49,62.93 v5(52.49,63.25)
